# Altium PCB H204_.PcbDoc (part 2 of 4) (continued)
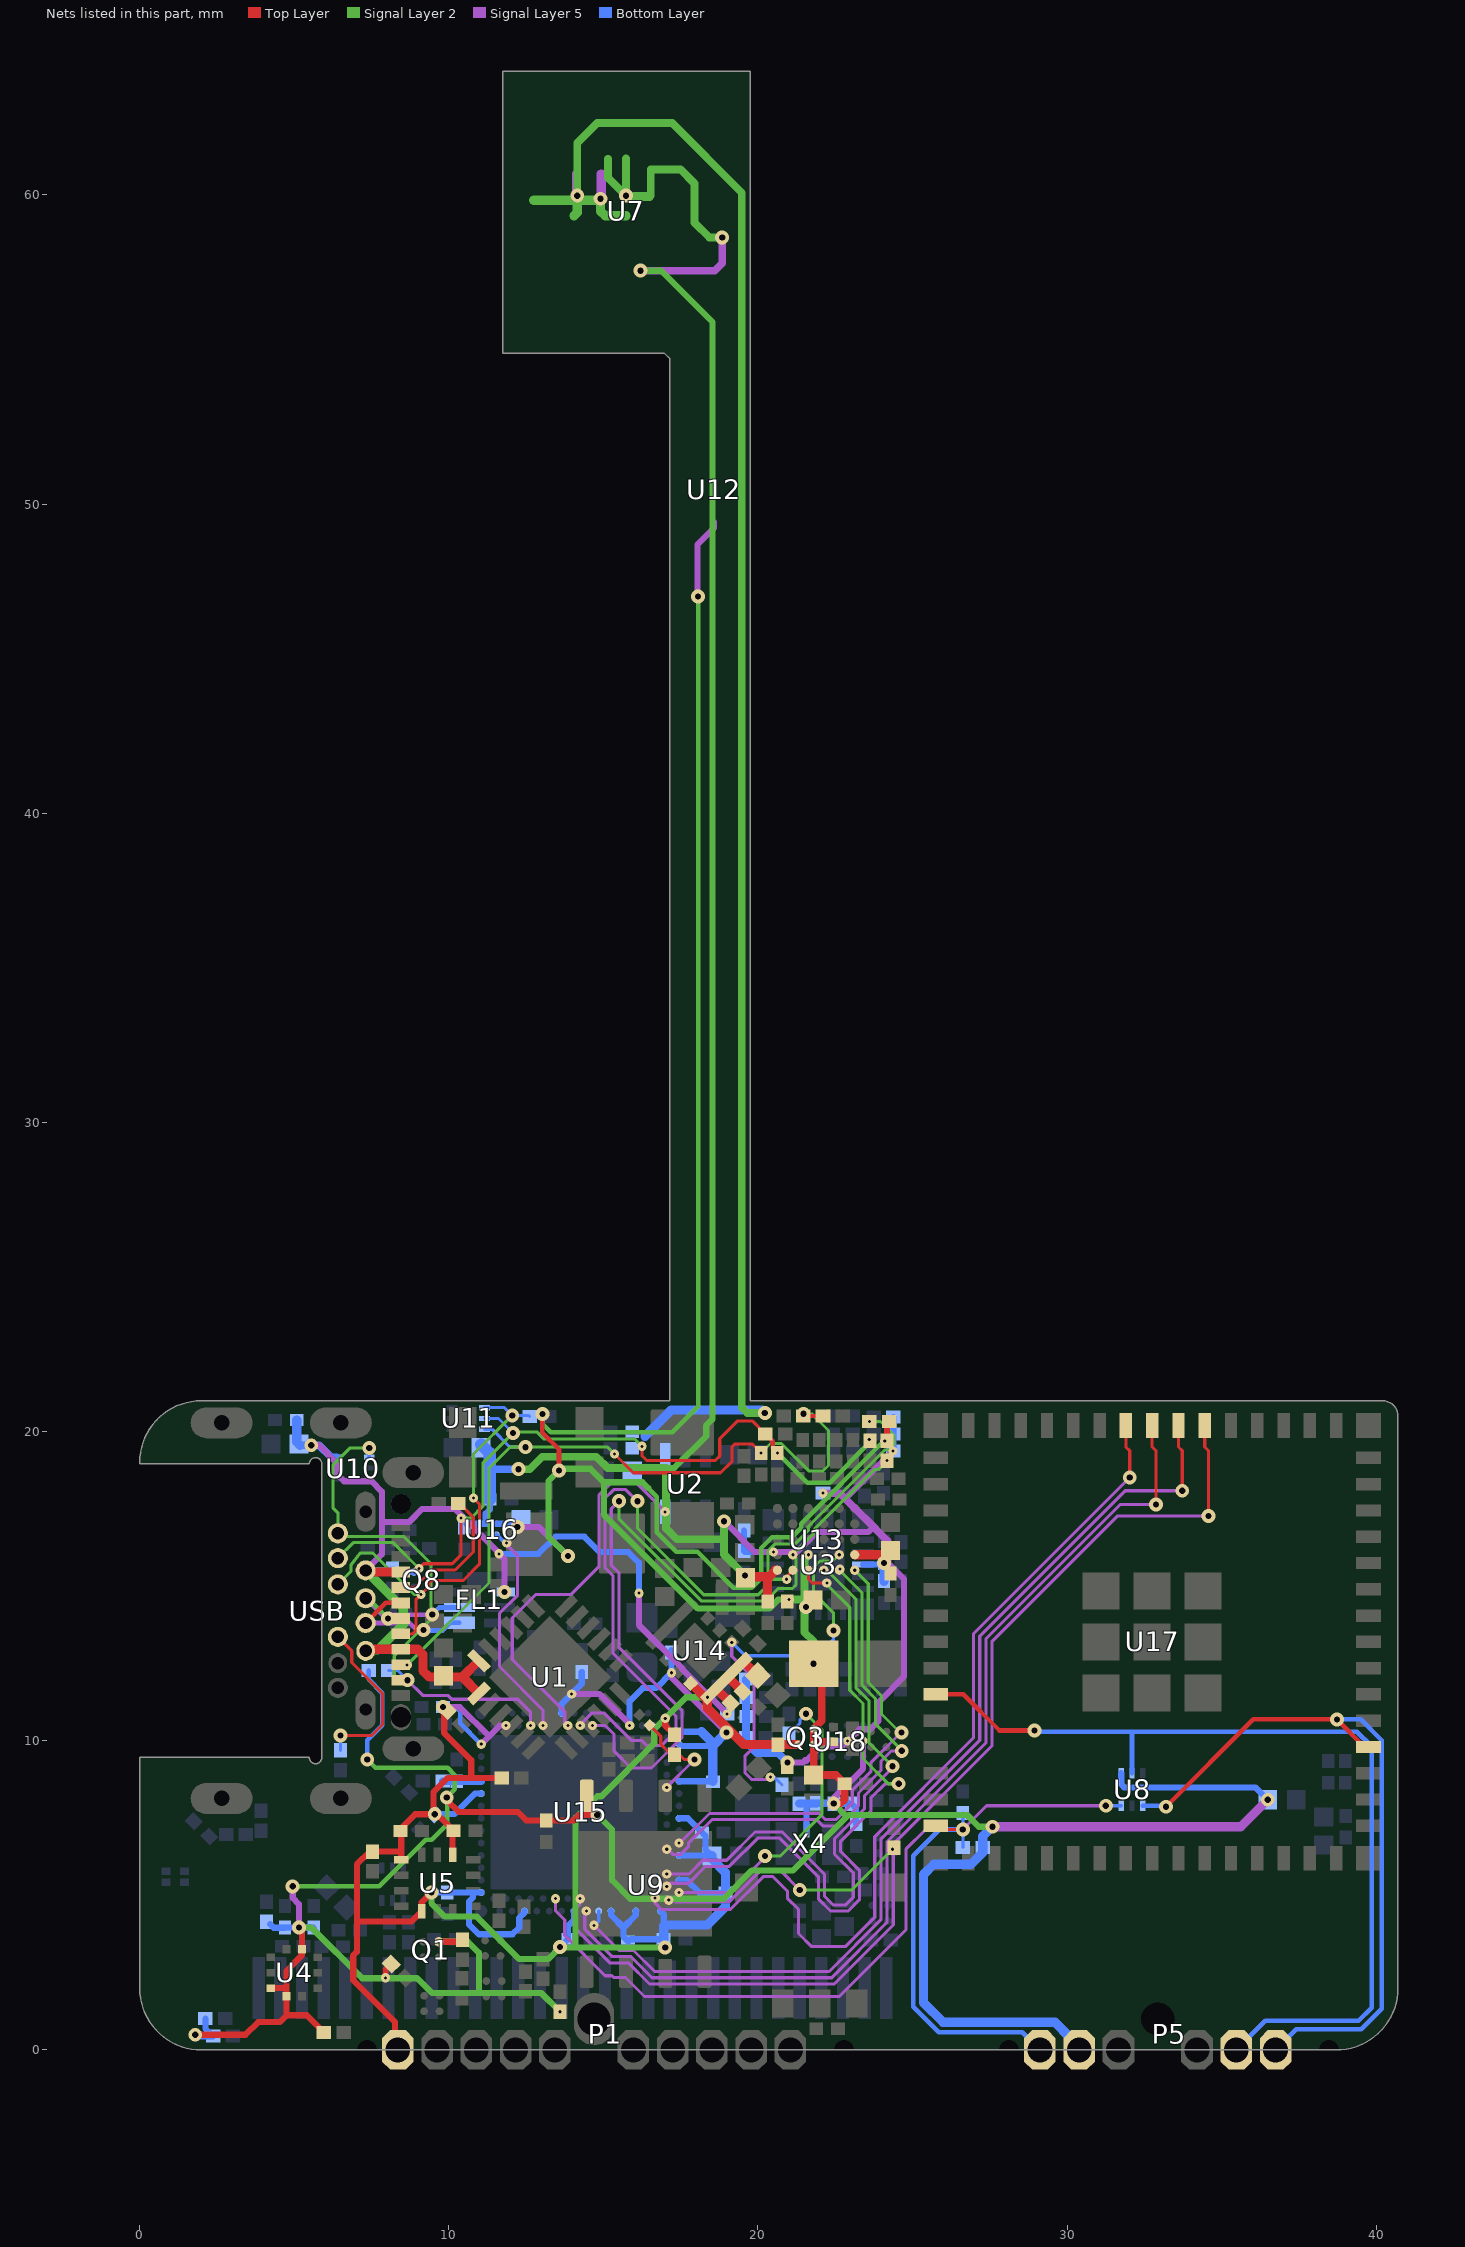
[diagram p6: the nets of this part, all layers, seen from the top]
## Part data (continued)
R34: library part Res2, "RES SMD 10 OHM 1% 1/20W 0201", Case/Package=0201, Case Code (Metric)=0603, Manufacturer=Yageo, Manufacturer Part Number=RC0201FR-0710RL, Max Operating Temperature=125°C, Max Power Dissipation=50mW, Min Operating Temperature=-55°C, Package Quantity=1, Resistance Tolerance=1%, Resistor Type="Thick Film", Supplier Part Number 1=311-10.0MCT-ND, Temperature Coefficient=350ppm/°C, Voltage Rating=25V, Case Code (Imperial)=0201, Category="Chip SMD Resistors", ComponentLink1Description=https://datasheet.ciiva.com/7672/1563626-7672197.pdf?src-supplier=Element14, ComponentLink1URL=https://datasheet.ciiva.com/7672/1563626-7672197.pdf?src-supplier=Element14, ComponentLink2Description=https://datasheet.ciiva.com/28405/pyu-rc0201-51-rohs-l-8-28405493.pdf?src-supplier=Avnet+Europe, ComponentLink2URL=https://datasheet.ciiva.com/28405/pyu-rc0201-51-rohs-l-8-28405493.pdf?src-supplier=Avnet+Europe, ComponentLink3Description=https://datasheet.ciiva.com/16855/pyu-rc0201-51-rohs-l-8-16855798.pdf?src-supplier=Avnet+Europe, ComponentLink3URL=https://datasheet.ciiva.com/16855/pyu-rc0201-51-rohs-l-8-16855798.pdf?src-supplier=Avnet+Europe, ComponentLink4Description=https://datasheet.ciiva.com/5757/1563626-5757896.pdf?src-supplier=Farnell, ComponentLink4URL=https://datasheet.ciiva.com/5757/1563626-5757896.pdf?src-supplier=Farnell, ComponentLink5Description=https://datasheet.ciiva.com/2467/pyu-r-int-thick-7-2467097.pdf?src-supplier=Digi-Key, ComponentLink5URL=https://datasheet.ciiva.com/2467/pyu-r-int-thick-7-2467097.pdf?src-supplier=Digi-Key, ComponentLink6Description=https://datasheet.ciiva.com/2467/pyu-r-int-thick-7-2467098.pdf?src-supplier=Digi-Key, ComponentLink6URL=https://datasheet.ciiva.com/2467/pyu-r-int-thick-7-2467098.pdf?src-supplier=Digi-Key, ComponentLink7Description=https://datasheet.ciiva.com/2467/pyu-r-int-thick-7-2467099.pdf?src-supplier=Digi-Key, ComponentLink7URL=https://datasheet.ciiva.com/2467/pyu-r-int-thick-7-2467099.pdf?src-supplier=Digi-Key, Contact Plating=Tin,Matte, Features="Moisture Resistant", Height=0.01inch, Lead Free="Lead Free", Length=0.024inch, Number of Terminations=2, Packaging="Tape and Reel", Power Rating=50mW, Pricing 1="1=0,10000, 10=0,06300, 100=0,02560, 1000=0,01149, 2500=0,00997, 5000=0,00824 (USD)", Radiation Hardening=No, REACH SVHC="No SVHC", Resistance=10R, RoHS=Yes, RoHS Compliant=Yes, Series=RC, Size Code=0201, Stock 1=241011, Supplier 1=Digi-Key, Termination=SMD/SMT, Tolerance=1%, Width=0.012inch
R36 R37 R38 R40: library part Res2, "Resistor"
R51: library part Res2, "Res Thick Film 0201 30.9K Ohm 1% 0.05W(1/20W) ±200ppm/C Molded SMD Paper T/R", Case/Package=0201, Case Code (Metric)=0603, Manufacturer=Yageo, Manufacturer Part Number=RC0201FR-0730K9L, Max Operating Temperature=125°C, Max Power Dissipation=50mW, Min Operating Temperature=-55°C, Resistance=30.9kR, Resistor Type="Thick Film", Supplier Part Number 1=YAG2591CT-ND, Temperature Coefficient=200ppm/°C, Tolerance=1%, Case Code (Imperial)=0201, Category="Chip SMD Resistors", ComponentLink1Description=http://components.arrow.com/part/dataview/0323_03295173?src-supplier=Arrow+Europe, ComponentLink1URL=http://components.arrow.com/part/dataview/0323_03295173?src-supplier=Arrow+Europe, ComponentLink2Description=http://www.yageo.com.tw/exep/pages/download/literatures/PYu-R_INT-thick_7.pdf?src-supplier=Digi-Key, ComponentLink2URL=http://www.yageo.com.tw/exep/pages/download/literatures/PYu-R_INT-thick_7.pdf?src-supplier=Digi-Key, ComponentLink3Description=http://www.yageo.com/documents/recent/PYu-RC_Group_51_RoHS_L_9.pdf?src-supplier=Digi-Key, ComponentLink3URL=http://www.yageo.com/documents/recent/PYu-RC_Group_51_RoHS_L_9.pdf?src-supplier=Digi-Key, Depth=0.3mm, Features="Moisture Resistant", Height=0.01inch, Length=0.024inch, Military Standard=Not, Number of Terminations=2, Packaging="Tape and Reel", Pricing 1="1=0,10000, 10=0,04200, 100=0,01700, 1000=0,00765, 2500=0,00664, 5000=0,00548 (USD)", RoHS=Yes, RoHS Compliant=Yes, Stock 1=15064, Supplier 1=Digi-Key, Width=0.012inch
R56: library part Resistor, "Thick Film Resistors - SMD 910K OHM 1%", Case/Package=0201, Case Code (Metric)=0603, Manufacturer=Yageo, Manufacturer Part Number=RC0201FR-07910KL, Max Operating Temperature=125°C, Max Power Dissipation=50mW, Min Operating Temperature=-55°C, Resistance=910kR, Resistor Type="Thick Film", Supplier Part Number 1=YAG2840CT-ND, Temperature Coefficient=200ppm/°C, Tolerance=1%, Voltage Rating=25V, Case Code (Imperial)=0201, Category="Chip SMD Resistors", ComponentLink1Description=http://www.mouser.com/ds/2/447/RC0201-559633.pdf?src-supplier=Mouser, ComponentLink1URL=http://www.mouser.com/ds/2/447/RC0201-559633.pdf?src-supplier=Mouser, ComponentLink2Description=http://www.yageo.com.tw/exep/pages/download/literatures/PYu-R_INT-thick_7.pdf?src-supplier=Digi-Key, ComponentLink2URL=http://www.yageo.com.tw/exep/pages/download/literatures/PYu-R_INT-thick_7.pdf?src-supplier=Digi-Key, ComponentLink3Description=http://www.yageo.com/documents/recent/PYu-RC_Group_51_RoHS_L_9.pdf?src-supplier=Digi-Key, ComponentLink3URL=http://www.yageo.com/documents/recent/PYu-RC_Group_51_RoHS_L_9.pdf?src-supplier=Digi-Key, ComponentLink4Description=http://components.arrow.com/part/dataview/0323_03295085?src-supplier=Arrow+Europe, ComponentLink4URL=http://components.arrow.com/part/dataview/0323_03295085?src-supplier=Arrow+Europe, Construction=Rectangular, Depth=0.3mm, Features="Moisture Resistant", Height=0.01inch, Length=0.6mm, Military Standard=Not, Number of Terminations=2, Packaging="Tape and Reel", Power Rating=50mW, Pricing 1="1=0,10000, 10=0,04200, 100=0,01700, 1000=0,00765, 2500=0,00664, 5000=0,00548 (USD)", RoHS=Yes, RoHS Compliant=Yes, Series=RC, Stock 1=16990, Supplier 1=Digi-Key, Termination=SMD/SMT, Width=0.012inch
R64: library part Res2, "YAGEO (PHYCOMP)         RC0201FR-0727KL             SMD Chip Resistor, Thick Film, 27 kohm, 0201 [0603 Metric], 50 mW,  1%", Case/Package=0201, Case Code (Metric)=0603, Manufacturer=Yageo, Manufacturer Part Number=RC0201FR-0727KL, Max Operating Temperature=125°C, Max Power Dissipation=50mW, Min Operating Temperature=-55°C, Resistance=27kR, Resistance Tolerance=1%, Resistor Type="Thick Film", Supplier Part Number 1=YAG2552CT-ND, Temperature Coefficient=200ppm/°C, Voltage Rating=25V, Case Code (Imperial)=0201, Category="Chip SMD Resistors", ComponentLink1Description=https://datasheet.ciiva.com/22735/1563626-22735433.pdf?src-supplier=Element14, ComponentLink1URL=https://datasheet.ciiva.com/22735/1563626-22735433.pdf?src-supplier=Element14, Features="Moisture Resistant", Height=0.01inch, Lead Free="Lead Free", Length=0.024inch, Number of Terminations=2, Packaging="Tape and Reel", Power Rating=50mW, Pricing 1="1=0,10000, 10=0,04200, 100=0,01700, 1000=0,00765, 2500=0,00664, 5000=0,00548 (USD)", REACH SVHC=Unknown, RoHS=Yes, RoHS Compliant=Yes, Series=RC, Stock 1=10000, Supplier 1=Digi-Key, Termination=SMD/SMT, Tolerance=1%, Width=0.012inch
R65 R67: library part Res2, "Res Thick Film 0201 75K Ohm 1% 0.05W(1/20W) ±200ppm/C Molded SMD Paper T/R", Case/Package=0201, Case Code (Metric)=0603, Manufacturer=Yageo, Manufacturer Part Number=RC0201FR-0775KL, Max Operating Temperature=125°C, Max Power Dissipation=50mW, Min Operating Temperature=-55°C, Resistance=75kR, Resistor Type="Thick Film", Supplier Part Number 1=YAG2795CT-ND, Temperature Coefficient=200ppm/°C, Tolerance=1%, Case Code (Imperial)=0201, Category="Chip SMD Resistors", ComponentLink1Description=http://components.arrow.com/part/dataview/0323_03291865?src-supplier=Arrow+Europe, ComponentLink1URL=http://components.arrow.com/part/dataview/0323_03291865?src-supplier=Arrow+Europe, ComponentLink2Description=http://www.yageo.com/documents/recent/PYu-RC_Group_51_RoHS_L_10.pdf?src-supplier=Digi-Key, ComponentLink2URL=http://www.yageo.com/documents/recent/PYu-RC_Group_51_RoHS_L_10.pdf?src-supplier=Digi-Key, ComponentLink3Description=http://www.yageo.com/documents/recent/PYu-RC_Group_51_RoHS_L_9.pdf?src-supplier=Digi-Key, ComponentLink3URL=http://www.yageo.com/documents/recent/PYu-RC_Group_51_RoHS_L_9.pdf?src-supplier=Digi-Key, Depth=0.3mm, Features="Moisture Resistant", Height=0.01inch, Length=0.024inch, Military Standard=Not, Number of Terminations=2, Packaging="Tape and Reel", Pricing 1="1=0,10000, 10=0,04200, 100=0,01700, 1000=0,00765, 2500=0,00664, 5000=0,00548 (USD)", RoHS=Yes, RoHS Compliant=Yes, Stock 1=24524, Supplier 1=Digi-Key, Width=0.012inch
R66: library part Res2, "GENERAL 0201 11% REEL (7INCH)", Case/Package=0201, Case Code (Metric)=0603, Manufacturer=Yageo, Manufacturer Part Number=RC0201FR-0747KL, Max Operating Temperature=125°C, Max Power Dissipation=50mW, Min Operating Temperature=-55°C, Package Quantity=1, Resistance=47kR, Resistor Type="Thick Film", Supplier Part Number 1=311-47KMCT-ND, Temperature Coefficient=200ppm/°C, Tolerance=1%, Voltage Rating=25V, Case Code (Imperial)=0201, Category="Chip SMD Resistors", ComponentLink1Description=https://datasheet.ciiva.com/28399/pyu-rc0201-51-rohs-l-8-28399335.pdf?src-supplier=Avnet+Europe, ComponentLink1URL=https://datasheet.ciiva.com/28399/pyu-rc0201-51-rohs-l-8-28399335.pdf?src-supplier=Avnet+Europe, ComponentLink2Description=https://datasheet.ciiva.com/29710/pyu-r-int-thick-7-29710919.pdf?src-supplier=Digi-Key, ComponentLink2URL=https://datasheet.ciiva.com/29710/pyu-r-int-thick-7-29710919.pdf?src-supplier=Digi-Key, ComponentLink3Description=https://datasheet.ciiva.com/7672/1563626-7672232.pdf?src-supplier=Element14, ComponentLink3URL=https://datasheet.ciiva.com/7672/1563626-7672232.pdf?src-supplier=Element14, ComponentLink4Description=https://datasheet.ciiva.com/29710/pyu-r-int-thick-7-29710920.pdf?src-supplier=Digi-Key, ComponentLink4URL=https://datasheet.ciiva.com/29710/pyu-r-int-thick-7-29710920.pdf?src-supplier=Digi-Key, ComponentLink5Description=https://datasheet.ciiva.com/8889/pyu-rc0201-51-rohs-l-8-8889065.pdf?src-supplier=Avnet, ComponentLink5URL=https://datasheet.ciiva.com/8889/pyu-rc0201-51-rohs-l-8-8889065.pdf?src-supplier=Avnet, ComponentLink6Description=https://datasheet.ciiva.com/26829/getdatasheetpartid-422496-26829867.pdf?src-supplier=Verical, ComponentLink6URL=https://datasheet.ciiva.com/26829/getdatasheetpartid-422496-26829867.pdf?src-supplier=Verical, ComponentLink7Description=https://datasheet.ciiva.com/16855/pyu-rc0201-51-rohs-l-8-16855917.pdf?src-supplier=Avnet+Europe, ComponentLink7URL=https://datasheet.ciiva.com/16855/pyu-rc0201-51-rohs-l-8-16855917.pdf?src-supplier=Avnet+Europe, ComponentLink8Description=https://datasheet.ciiva.com/25647/pyu-r-int-thick-7-25647310.pdf?src-supplier=Digi-Key, ComponentLink8URL=https://datasheet.ciiva.com/25647/pyu-r-int-thick-7-25647310.pdf?src-supplier=Digi-Key, Contact Plating=Tin,Matte, Depth=0.3mm, Features="Moisture Resistant", Height=0.01inch, Lead Free="Lead Free", Length=0.6mm, Military Standard=Not, Number of Terminations=2, Packaging="Tape and Reel", Power Rating=50mW, Pricing 1="1=0,10000, 10=0,04200, 100=0,01700, 1000=0,00765, 2500=0,00664, 5000=0,00548 (USD)", Radiation Hardening=No, REACH SVHC=Unknown, RoHS=Yes, Stock 1=402963, Supplier 1=Digi-Key, Termination=SMD/SMT, Weight=6E-06oz, Width=0.012inch
R68: library part Resistor, "Thick Film Resistors - SMD 200K OHM 1%", Case/Package=0201, Case Code (Metric)=0603, Manufacturer=Yageo, Manufacturer Part Number=RC0201FR-07200KL, Max Operating Temperature=125°C, Max Power Dissipation=50mW, Min Operating Temperature=-55°C, Package Quantity=10000, Resistance=200kR, Resistor Type="Thick Film", Supplier Part Number 1=YAG2275CT-ND, Temperature Coefficient=200ppm/°C, Tolerance=1%, Voltage Rating=25V, Case Code (Imperial)=0201, Category="Chip SMD Resistors", ComponentLink1Description=https://datasheet.ciiva.com/14985/pyu-r-int-thick-7-14985445.pdf?src-supplier=Digi-Key, ComponentLink1URL=https://datasheet.ciiva.com/14985/pyu-r-int-thick-7-14985445.pdf?src-supplier=Digi-Key, Features="Moisture Resistant", Height=0.01inch, Lead Free="Lead Free", Length=0.024inch, Number of Terminations=2, Packaging="Tape and Reel", Power Rating=50mW, Pricing 1="1=0,10000, 10=0,04200, 100=0,01700, 1000=0,00765, 2500=0,00664, 5000=0,00548 (USD)", RoHS=Yes, RoHS Compliant=Yes, Series=RC, Size Code=0201, Stock 1=66949, Supplier 1=Digi-Key, Termination=SMD/SMT, Width=0.012inch
R72 R73: library part Res2, "Res Thick Film 0201 5.1K Ohm 1% 1/20W ±200ppm/°C Molded SMD Paper T/R", Case/Package=0201, Case Code (Metric)=0603, Manufacturer=Yageo, Manufacturer Part Number=RC0201FR-075K1L, Max Operating Temperature=125°C, Max Power Dissipation=50mW, Min Operating Temperature=-55°C, Resistance=5.1kR, Resistor Type="Thick Film", Supplier Part Number 1=YAG2741CT-ND, Temperature Coefficient=200ppm/°C, Tolerance=1%, Voltage Rating=25V, Case Code (Imperial)=0201, Category="Chip SMD Resistors", ComponentLink1Description=http://components.arrow.com/part/dataview/0323_03295052?src-supplier=Arrow+Europe, ComponentLink1URL=http://components.arrow.com/part/dataview/0323_03295052?src-supplier=Arrow+Europe, ComponentLink2Description=http://www.mouser.com/ds/2/447/RC0201-559633.pdf?src-supplier=Mouser, ComponentLink2URL=http://www.mouser.com/ds/2/447/RC0201-559633.pdf?src-supplier=Mouser, ComponentLink3Description=http://www.yageo.com/documents/recent/PYu-RC_Group_51_RoHS_L_10.pdf?src-supplier=Digi-Key, ComponentLink3URL=http://www.yageo.com/documents/recent/PYu-RC_Group_51_RoHS_L_10.pdf?src-supplier=Digi-Key, Construction=Rectangular, Depth=0.3mm, Features="Moisture Resistant", Height=0.01inch, Lead Free="Lead Free", Length=0.6mm, Military Standard=Not, Number of Terminations=2, Packaging="Tape and Reel", Power Rating=50mW, Pricing 1="1=0,10000, 10=0,04200, 100=0,01700, 1000=0,00765, 2500=0,00664, 5000=0,00548 (USD)", RoHS=Yes, RoHS Compliant=Yes, Series=RC, Stock 1=21884, Supplier 1=Digi-Key, Termination=SMD/SMT, Width=0.3mm
S1: library part SW-PB, "Switch Tactile N.O. SPST Rectangular Button Gull Wing 0.05A 32VDC 1VA 100000Cycles 3N SMD T/R", Contact Current Rating=50mA, Contact Resistance=100mR, Insulation Resistance=1GR, Manufacturer="ITT C&K", Max Operating Temperature=85°C, Max Voltage Rating (DC)=32V, Min Operating Temperature=-40°C, Operating Force=3N, Package Quantity=3000, Power Rating=1W, Ratings=IP40, Supplier Part Number 1=401-1266-1-ND, Actuator Length=0.75mm, Actuator Type=PLUNGER, Category="Tactile Switches", ComponentLink1Description=https://datasheet.ciiva.com/7986/1754071-7986966.pdf?src-supplier=Element14, ComponentLink1URL=https://datasheet.ciiva.com/7986/1754071-7986966.pdf?src-supplier=Element14, ComponentLink2Description=https://datasheet.ciiva.com/16388/kms231glfs-16388616.pdf?src-supplier=Future+Electronics, ComponentLink2URL=https://datasheet.ciiva.com/16388/kms231glfs-16388616.pdf?src-supplier=Future+Electronics, ComponentLink3Description=https://datasheet.ciiva.com/8168/kms-8168505.pdf?src-supplier=Avnet, ComponentLink3URL=https://datasheet.ciiva.com/8168/kms-8168505.pdf?src-supplier=Avnet, ComponentLink4Description=https://datasheet.ciiva.com/2901/kms-2901787.pdf?src-supplier=Digi-Key, ComponentLink4URL=https://datasheet.ciiva.com/2901/kms-2901787.pdf?src-supplier=Digi-Key, ComponentLink5Description=https://datasheet.ciiva.com/2901/kms-2901788.pdf?src-supplier=Digi-Key, ComponentLink5URL=https://datasheet.ciiva.com/2901/kms-2901788.pdf?src-supplier=Digi-Key, ComponentLink6Description=https://datasheet.ciiva.com/2901/kms-2901789.pdf?src-supplier=Digi-Key, ComponentLink6URL=https://datasheet.ciiva.com/2901/kms-2901789.pdf?src-supplier=Digi-Key, ComponentLink7Description=https://datasheet.ciiva.com/5283/kms-13aug12-34537-5283597.pdf?src-supplier=Mouser, ComponentLink7URL=https://datasheet.ciiva.com/5283/kms-13aug12-34537-5283597.pdf?src-supplier=Mouser, ComponentLink8Description=https://datasheet.ciiva.com/5684/1754071-5684445.pdf?src-supplier=Farnell, ComponentLink8URL=https://datasheet.ciiva.com/5684/1754071-5684445.pdf?src-supplier=Farnell, Contact Material=Silver, Contact Plating=Silver, Current Rating=50mA, Depth=4.6mm, Direction=RIGHT, Illumination Type=Non-Illuminated,Illuminated, Lead Free="Lead Free", Length=3.55mm, Manufacturer Part Number=KMS231GLFS, Max Current Rating=50mA, Mechanical Life=100000Cycles, Mount="Surface Mount", Orientation="Right Angle", Packaging="Tape and Reel", Pricing 1="1=0,49000, 10=0,47400, 25=0,45640, 100=0,39480, 250=0,35972, 500=0,33342, 1000=0,29832 (USD)", Radiation Hardening=No, REACH SVHC="No SVHC", RoHS=Yes, RoHS Compliant=Yes, Series=KMS, Size=2.8mm, Supplier 1=Digi-Key, Switch Function=Off-Mom, Switch Travel=0.3mm, Termination="Gull Wing", Throw Configuration=SPST, Voltage Rating (DC)=32V, Width=4.6mm
U1: library part BQ25601DRTWR, "IC BATTERY CHARGER LION 24WQFN", Battery Pack Voltage=4.2V, Manufacturer="Texas Instruments", Max Charge Current=3A, Max Operating Temperature=85°C, Max Supply Voltage=13.5V, Min Operating Temperature=-40°C, Supplier Part Number 1=296-46558-1-ND, Category="Power Management ICs", ComponentLink1Description=http://www.ti.com/lit/ds/symlink/bq25601.pdf?src-supplier=Digi-Key, ComponentLink1URL=http://www.ti.com/lit/ds/symlink/bq25601.pdf?src-supplier=Digi-Key, ComponentLink2Description=http://www.ti.com/lit/ds/symlink/bq25601.pdf?src-supplier=Farnell, ComponentLink2URL=http://www.ti.com/lit/ds/symlink/bq25601.pdf?src-supplier=Farnell, ComponentLink3Description=http://www.ti.com/lit/ds/symlink/bq25601.pdf?src-supplier=Newark, ComponentLink3URL=http://www.ti.com/lit/ds/symlink/bq25601.pdf?src-supplier=Newark, Fault Protection="Over Voltage,Over Temperature", Interface=I2C, Manufacturer Part Number=BQ25601RTWT, Number of Cells=1, Packaging="Tape and Reel", Pricing 1="1=3,88000, 10=3,48700, 25=3,29600, 100=2,85660 (USD)", RoHS=Yes, RoHS Compliant=Yes, Supplier 1=Digi-Key
U2: "Conv DC-DC Single Step Up 0.4V to 5.5V 6-Pin uDFN Cut Tape", Manufacturer=Maxim, Manufacturer_Name="Maxim Integrated", Max Input Voltage=5.5V, Max Operating Temperature=85°C, Max Output Voltage=5V, Min Input Voltage=400mV, Min Operating Temperature=-40°C, Min Output Voltage=1.8V, Mouser Part Number=700-MAX17222ELT+, Output Current=500mA, Supplier Part Number 1=MAX17222ELT+-ND, Switching Frequency=2.5MHz, Category="Voltage Regulators - Switching", ComponentLink1Description=http://www.farnell.com/datasheets/2236349.pdf?src-supplier=Farnell, ComponentLink1URL=http://www.farnell.com/datasheets/2236349.pdf?src-supplier=Farnell, ComponentLink2Description=https://datasheets.maximintegrated.com/en/ds/MAX17220-MAX17225.pdf?src-supplier=Digi-Key, ComponentLink2URL=https://datasheets.maximintegrated.com/en/ds/MAX17220-MAX17225.pdf?src-supplier=Digi-Key, Datasheet Link=https://pdfserv.maximintegrated.com/package_dwgs/21-0164.PDF, Height=0.8mm, Manufacturer_Part_Number=MAX17222ELT+, Manufacturer Part Number=MAX17222ELT+, Mouser Price/Stock=https://www.mouser.co.uk/ProductDetail/Maxim-Integrated/MAX17222ELT%2b?qs=5HRuLjoIg%2FFT2yPfIoCzoQ%3D%3D, Number of Outputs=1, Number of Pins=6, Output Configuration=Positive, Output Type=Adjustable, Packaging=Rail/Tube, RoHS=Yes, RoHS Compliant=Yes, Supplier 1=Digi-Key, Synchronous Rectifier=Yes, Topology=Boost
U3: "Integrated Circuit", Manufacturer=Maxim, Supplier Part Number 1=175-MAX32664GTGD+-ND, Manufacturer Part Number=MAX32664GTGD+, Pricing 1="490=4,49196 (USD)", RoHS=Yes, Supplier 1=Digi-Key
U4: "Pressure Sensor 30kPa to 125kPa Absolute 10-Pin LGA", Capacitance=4.7uF, Case/Package=LGA, Case Code (Imperial)=0805, Case Code (Metric)=2012, Continuous Drain Current (ID)=4A, Drain to Source Voltage (Vdss)=30V, Input Capacitance=645pF, Manufacturer="Bosch Sensortec", Max Operating Temperature=150°C, Max Power Dissipation=1.4W, Min Operating Temperature=-55°C, Operating Pressure=18.13PSI, Ratings=AEC-Q200, Supplier Part Number 1=828-1079-1-ND, Tolerance=20%, Voltage Rating=16V, Category="Pressure Sensors", ComponentLink1Description=https://ae-bst.resource.bosch.com/media/_tech/media/datasheets/BST-BMP388-DS001.pdf?src-supplier=Digi-Key, ComponentLink1URL=https://ae-bst.resource.bosch.com/media/_tech/media/datasheets/BST-BMP388-DS001.pdf?src-supplier=Digi-Key, ComponentLink2Description=https://ae-bst.resource.bosch.com/media/_tech/media/product_flyer/BST-BMP388-FL000-00.pdf?src-supplier=Digi-Key, ComponentLink2URL=https://ae-bst.resource.bosch.com/media/_tech/media/product_flyer/BST-BMP388-FL000-00.pdf?src-supplier=Digi-Key, ComponentLink3Description=https://ae-bst.resource.bosch.com/media/_tech/media/application_notes/BST-BMP380-HS000.pdf?src-supplier=Digi-Key, ComponentLink3URL=https://ae-bst.resource.bosch.com/media/_tech/media/application_notes/BST-BMP380-HS000.pdf?src-supplier=Digi-Key, Features="Soft Termination", Manufacturer Part Number=BMP388, Mount="Surface Mount", Number of Pins=10, Output Type=SPI,I2C, Packaging="Tape and Reel", Port Style="No Port", Pressure Type=Absolute, Pricing 1="1=3,990000, 5=3,520000, 10=3,108000, 25=2,522000, 50=2,228800, 100=2,170000 (USD)", Rds On Max=50mR, RoHS=No, Supplier 1=Digi-Key, Termination=SMD/SMT
U5: "BMI270 Series 3.6 V 685 µA Smart Ultra-low Power Inertial Measurement Unit", Manufacturer="Bosch Sensortec", Supplier Part Number 1=828-1091-1-ND, Manufacturer Part Number=BMI270, RoHS=No, Supplier 1=Digi-Key
U6 U8 U10 U11: library part SP0505BAJTG, "ESD Suppressors Five CH Space Saving ESD Protect Device", Breakdown Voltage=6V, Capacitance=8.4pF, Clamping Voltage=15.6V, Manufacturer="Texas Instruments", Max Operating Temperature=125°C, Max Power Dissipation=40W, Min Operating Temperature=-40°C, Operating Supply Voltage=5.5V, Package Quantity=5000, Peak Pulse Current=10A, Power Line Protection=No, Resistor Type=Zener, Reverse Standoff Voltage=5V, Supplier Part Number 1=296-43577-1-ND, Category="Integrated Circuits (ICs)", ComponentLink1Description=https://datasheet.ciiva.com/6577/tpd5e003-6577651.pdf?src-supplier=Digi-Key, ComponentLink1URL=https://datasheet.ciiva.com/6577/tpd5e003-6577651.pdf?src-supplier=Digi-Key, Diode Type=ZENER, Direction=Unidirectional, Lead Free="Lead Free", Manufacturer Part Number=TPD5E003DPFR, Min Breakdown Voltage=6V, Mount="Surface Mount", Number of Bidirectional Channels=4, Number of Channels=5, Number of Pins=6, Number of Unidirectional Channels=5, Packaging="Tape and Reel", Peak Pulse Power=40W, Polarity=Unidirectional, Pricing 1="1=0,65000, 10=0,56000, 100=0,41850, 500=0,32882, 1000=0,25408, 2000=0,24675 (USD)", RoHS=Yes, RoHS Compliant=Yes, Series=-, Stock 1=1694, Supplier 1=Digi-Key, Termination=SMD/SMT, Working Voltage=5V
U7: "Analog Circuit, 1 Func", Manufacturer=Maxim, Max Operating Temperature=85°C, Max Supply Voltage=2V, Min Operating Temperature=-40°C, Min Supply Voltage=1.7V, Supplier Part Number 1=MAX30101EFD+-ND, Category=Sensors, ComponentLink1Description=http://www.farnell.com/datasheets/2064242.pdf?src-supplier=Farnell, ComponentLink1URL=http://www.farnell.com/datasheets/2064242.pdf?src-supplier=Farnell, ComponentLink2Description=http://www.farnell.com/datasheets/2064242.pdf?src-supplier=Element14, ComponentLink2URL=http://www.farnell.com/datasheets/2064242.pdf?src-supplier=Element14, ComponentLink3Description=https://datasheets.maximintegrated.com/en/ds/MAX30101.pdf?src-supplier=Digi-Key, ComponentLink3URL=https://datasheets.maximintegrated.com/en/ds/MAX30101.pdf?src-supplier=Digi-Key, ComponentLink4Description=http://datasheets.maximintegrated.com/en/ds/MAX30101.pdf?src-supplier=Newark, ComponentLink4URL=http://datasheets.maximintegrated.com/en/ds/MAX30101.pdf?src-supplier=Newark, ComponentLink5Description=http://datasheets.maximintegrated.com/en/ds/MAX30101.pdf?src-supplier=Mouser, ComponentLink5URL=http://datasheets.maximintegrated.com/en/ds/MAX30101.pdf?src-supplier=Mouser, ComponentLink6Description=http://datasheets.maximintegrated.com/en/ds/MAX30101.pdf?src-supplier=Avnet+Europe, ComponentLink6URL=http://datasheets.maximintegrated.com/en/ds/MAX30101.pdf?src-supplier=Avnet+Europe, ComponentLink7Description=http://datasheets.maximintegrated.com/en/ds/MAX30101.pdf?src-supplier=Avnet, ComponentLink7URL=http://datasheets.maximintegrated.com/en/ds/MAX30101.pdf?src-supplier=Avnet, ComponentLink8Description=http://datasheets.maximintegrated.com/en/ds/MAX30101.pdf?src-supplier=Component+Sense, ComponentLink8URL=http://datasheets.maximintegrated.com/en/ds/MAX30101.pdf?src-supplier=Component+Sense, Manufacturer Part Number=MAX30101EFD+, Number of Pins=14, Pricing 1="1=8,97000, 10=8,10600, 25=7,72840, 364=6,40901, 728=5,84350, 1092=5,08950 (USD)", REACH SVHC="No SVHC", RoHS=Yes, Stock 1=3923, Supplier 1=Digi-Key
U9: "NOR Flash Serial (SPI, Dual SPI, Quad SPI) 3V/3.3V 128M-bit 16M x 8 6ns 8-Pin WSON EP T/R/Tray/Tube", Frequency=133MHz, Manufacturer=Winbond, Max Operating Temperature=85°C, Min Operating Temperature=-40°C, Supplier Part Number 1=W25Q128JVPIQ-ND, Category=Flash, ComponentLink1Description=http://www.winbond.com/resource-files/w25q128jv%20revf%2003272018%20plus.pdf?src-supplier=Digi-Key, ComponentLink1URL=http://www.winbond.com/resource-files/w25q128jv%20revf%2003272018%20plus.pdf?src-supplier=Digi-Key, Manufacturer Part Number=W25Q128JVPIQ, Memory Size=128Mb, Memory Type=Non-Volatile,FLASH, Mount="Surface Mount", Packaging=Rail/Tube, Pricing 1="1=1,97000, 10=1,79800, 25=1,74960, 50=1,74080, 100=1,55600, 250=1,55152, 500=1,52810, 1000=1,46322, 5000=1,36231 (USD)", RoHS=Yes, RoHS Compliant=Yes, Stock 1=2886, Supplier 1=Digi-Key
U12: "±0.1°C accurate digital temperature sensor with integrated NV memory 6-WSON 0 to 85", Manufacturer="Texas Instruments", Max Operating Temperature=150°C, Min Operating Temperature=-55°C, Supplier Part Number 1=296-52215-1-ND, Category="Integrated Circuits (ICs)", ComponentLink1Description=http://www.ti.com/lit/gpn/tmp117?src-supplier=Digi-Key, ComponentLink1URL=http://www.ti.com/lit/gpn/tmp117?src-supplier=Digi-Key, Manufacturer Part Number=TMP117MAIDRVT, Mount="Surface Mount", Output Type=I2C, Packaging="Tape and Reel", Pricing 1="1=4,89000, 5=4,31400, 10=3,81100, 25=3,09160, 50=2,73220, 100=2,66030 (USD)", Resolution=16b, RoHS=Yes, RoHS Compliant=Yes, Stock 1=4230, Supplier 1=Digi-Key
U13: "Biopotential/bioz Afe, WLP-30", Manufacturer=Maxim, Manufacturer_Name="Maxim Integrated", Mouser Part Number=700-MAX30001CWV+, Supplier Part Number 1=MAX30001CWV+-ND, Category=Sensors, Datasheet Link=https://datasheets.maximintegrated.com/en/ds/MAX30001.pdf, Height=0.69mm, Manufacturer_Part_Number=MAX30001CWV+, Manufacturer Part Number=MAX30001CWV+, Mouser Price/Stock=https://www.mouser.co.uk/ProductDetail/Maxim-Integrated/MAX30001CWV%2b?qs=gt1LBUVyoHlQ9wjGIPyD2Q%3D%3D, Pricing 1="1=9,16000 (USD)", RoHS=Yes, RoHS Compliant=Yes, Stock 1=1, Supplier 1=Digi-Key
U14: "Conv DC-DC Single Step Down 2V to 6V 6-Pin CL-2025-02 T/R", Manufacturer=Torex, Max Input Voltage=6V, Max Operating Temperature=85°C, Max Output Current=600mA, Min Input Voltage=2V, Min Operating Temperature=-40°C, Mouser Part Number=865-XCL206A333CR-G, Supplier Part Number 1=893-1403-1-ND, Voltage - Output 1=3.3V, Category="Board Mount Modules", ComponentLink1Description=https://www.torexsemi.com/file/xcl206/XCL205-XCL206-XL207.pdf?src-supplier=Digi-Key, ComponentLink1URL=https://www.torexsemi.com/file/xcl206/XCL205-XCL206-XL207.pdf?src-supplier=Digi-Key, Datasheet Link=https://www.torexsemi.com/file/xcl206/XCL205-XCL206-XCL207.pdf, Efficiency=90%, Height=1.04mm, Manufacturer_Name=Torex, Manufacturer_Part_Number=XCL206A333CR-G, Manufacturer Part Number=XCL206A333CR-G, Mount="Surface Mount", Mouser Price/Stock=https://www.mouser.co.uk/ProductDetail/Torex-Semiconductor/XCL206A333CR-G/?qs=AsjdqWjXhJ9IhOCsNg2OkA%3D%3D, Number of Outputs=1, Packaging="Cut Tape", Pricing 1="1=2,74000, 10=2,45800, 25=2,31880, 100=1,97560, 250=1,85500, 500=1,62312, 1000=1,34488 (USD)", RoHS=Yes, RoHS Compliant=Yes, Stock 1=3329, Supplier 1=Digi-Key
U15: "Multi-protocol Bluetooth Low Energy, IEEE 802.15.4, ANT and 2.4GHz proprietary system-on-chip", Manufacturer="Nordic Semiconductor", Manufacturer Part Number=NRF5340-QKAA-R, Supplier Part Number 1=1490-NRF5340-QKAA-RDKR-ND, Category="RF Receivers, Transceivers", Component Class=nRF_Devices, Footprint Doc=AQFN-98, Pad Count=98, Part Number=nRF5340-QKAA, Pricing 1="1=8,66000, 10=7,93800, 25=7,21600, 100=6,49440, 250=5,95320, 500=5,41200, 1000=4,92000 (USD)", Supplier 1=Digi-Key
U16: library part LP5907UVX-1.6_NOPB, "IC REG LINEAR 1.8V 250MA 4DSBGA", Case/Package=SMD/SMT, Dropout Voltage=50mV, Manufacturer="Texas Instruments", Manufacturer Part Number=LP5907UVX-1.8/NOPB, Max Input Voltage=5.5V, Max Operating Temperature=125°C, Max Output Current=250mA, Min Input Voltage=2.2V, Min Operating Temperature=-40°C, Output Voltage=1.8V, Package Quantity=3000, Quiescent Current=25uA, Supplier Part Number 1=296-35634-1-ND, Accuracy=2%, Category="Voltage Regulators - Linear", ComponentLink1Description=https://datasheet.ciiva.com/6597/lp5907-6597398.pdf?src-supplier=Digi-Key, ComponentLink1URL=https://datasheet.ciiva.com/6597/lp5907-6597398.pdf?src-supplier=Digi-Key, ComponentLink2Description=https://datasheet.ciiva.com/14278/lp5907-14278557.pdf?src-supplier=Avnet, ComponentLink2URL=https://datasheet.ciiva.com/14278/lp5907-14278557.pdf?src-supplier=Avnet, Lead Free="Lead Free", Mount="Surface Mount", Number of Outputs=1, Output Type=Fixed, Packaging="Tape and Reel", Polarity=Positive, Pricing 1="1=0,69000, 10=0,59200, 25=0,55280, 100=0,44220, 250=0,41064, 500=0,34746, 1000=0,26850 (USD)", Radiation Hardening=No, RoHS=Yes, RoHS Compliant=Yes, Supplier 1=Digi-Key
U17: "SMD Module W/pcb Antenna", Manufacturer="Espressif Systems", Manufacturer Part Number=ESP32-S2-MINI-1-N4, Mouser Part Number=356-ESP32-S2-MINI-1, Supplier Part Number 1=1965-ESP32-S2-MINI-1-N4-ND, Datasheet Link=https://www.espressif.com/sites/default/files/documentation/esp32-s2-mini-1_esp32-s2-mini-1u_datasheet_en.pdf, Height=2.65mm, Manufacturer_Name="Espressif Systems", Manufacturer_Part_Number=ESP32-S2-MINI-1, Mouser Price/Stock=https://www.mouser.co.uk/ProductDetail/Espressif-Systems/ESP32-S2-MINI-1?qs=DPoM0jnrROXX974%252BTWoceA%3D%3D, Pricing 1="1=2,18000 (USD)", Supplier 1=Digi-Key
U18: "UNIVERSAL BI-DIRECTIONALEVEL", High Level Output Current=-20uA, Low Level Output Current=1mA, Manufacturer=Diodes, Manufacturer_Name="Diodes Inc.", Max Operating Temperature=85°C, Min Operating Temperature=-40°C, Mouser Part Number=729-PI4ULS3V204GAEX, Supplier Part Number 1=PI4ULS3V204GAEXDICT-ND, Arrow Part Number=PI4ULS3V204GAEX, Arrow Price/Stock=https://www.arrow.com/en/products/pi4uls3v204gaex/diodes-incorporated, Category="Integrated Circuits (ICs)", ComponentLink1Description=https://www.diodes.com/assets/Datasheets/PI4ULS3V204.pdf?src-supplier=Digi-Key, ComponentLink1URL=https://www.diodes.com/assets/Datasheets/PI4ULS3V204.pdf?src-supplier=Digi-Key, ComponentLink2Description=https://www.pericom.com/assets/Datasheets/PI4ULS3V204.pdf?src-supplier=Avnet+Asia, ComponentLink2URL=https://www.pericom.com/assets/Datasheets/PI4ULS3V204.pdf?src-supplier=Avnet+Asia, Datasheet Link=https://www.diodes.com/assets/Datasheets/PI4ULS3V204.pdf, Height=0.625mm, Lead Free="Lead Free", Logic Function="Level Shifter", Manufacturer_Part_Number=PI4ULS3V204GAEX, Manufacturer Part Number=PI4ULS3V204GAEX, Mount="Surface Mount", Mouser Price/Stock=https://www.mouser.co.uk/ProductDetail/Diodes-Incorporated/PI4ULS3V204GAEX?qs=A65YvgP4j%252BEWb8XHzZsSTA%3D%3D, Packaging="Tape and Reel", Pricing 1="1=1,05000, 10=0,93800, 25=0,89040, 100=0,73140, 250=0,68368, 500=0,60420, 1000=0,47700 (USD)", RoHS=Yes, RoHS Compliant=Yes, Stock 1=3000, Supplier 1=Digi-Key